# KiCad board Duet3_MB_6HC.kicad_pcb (continued)
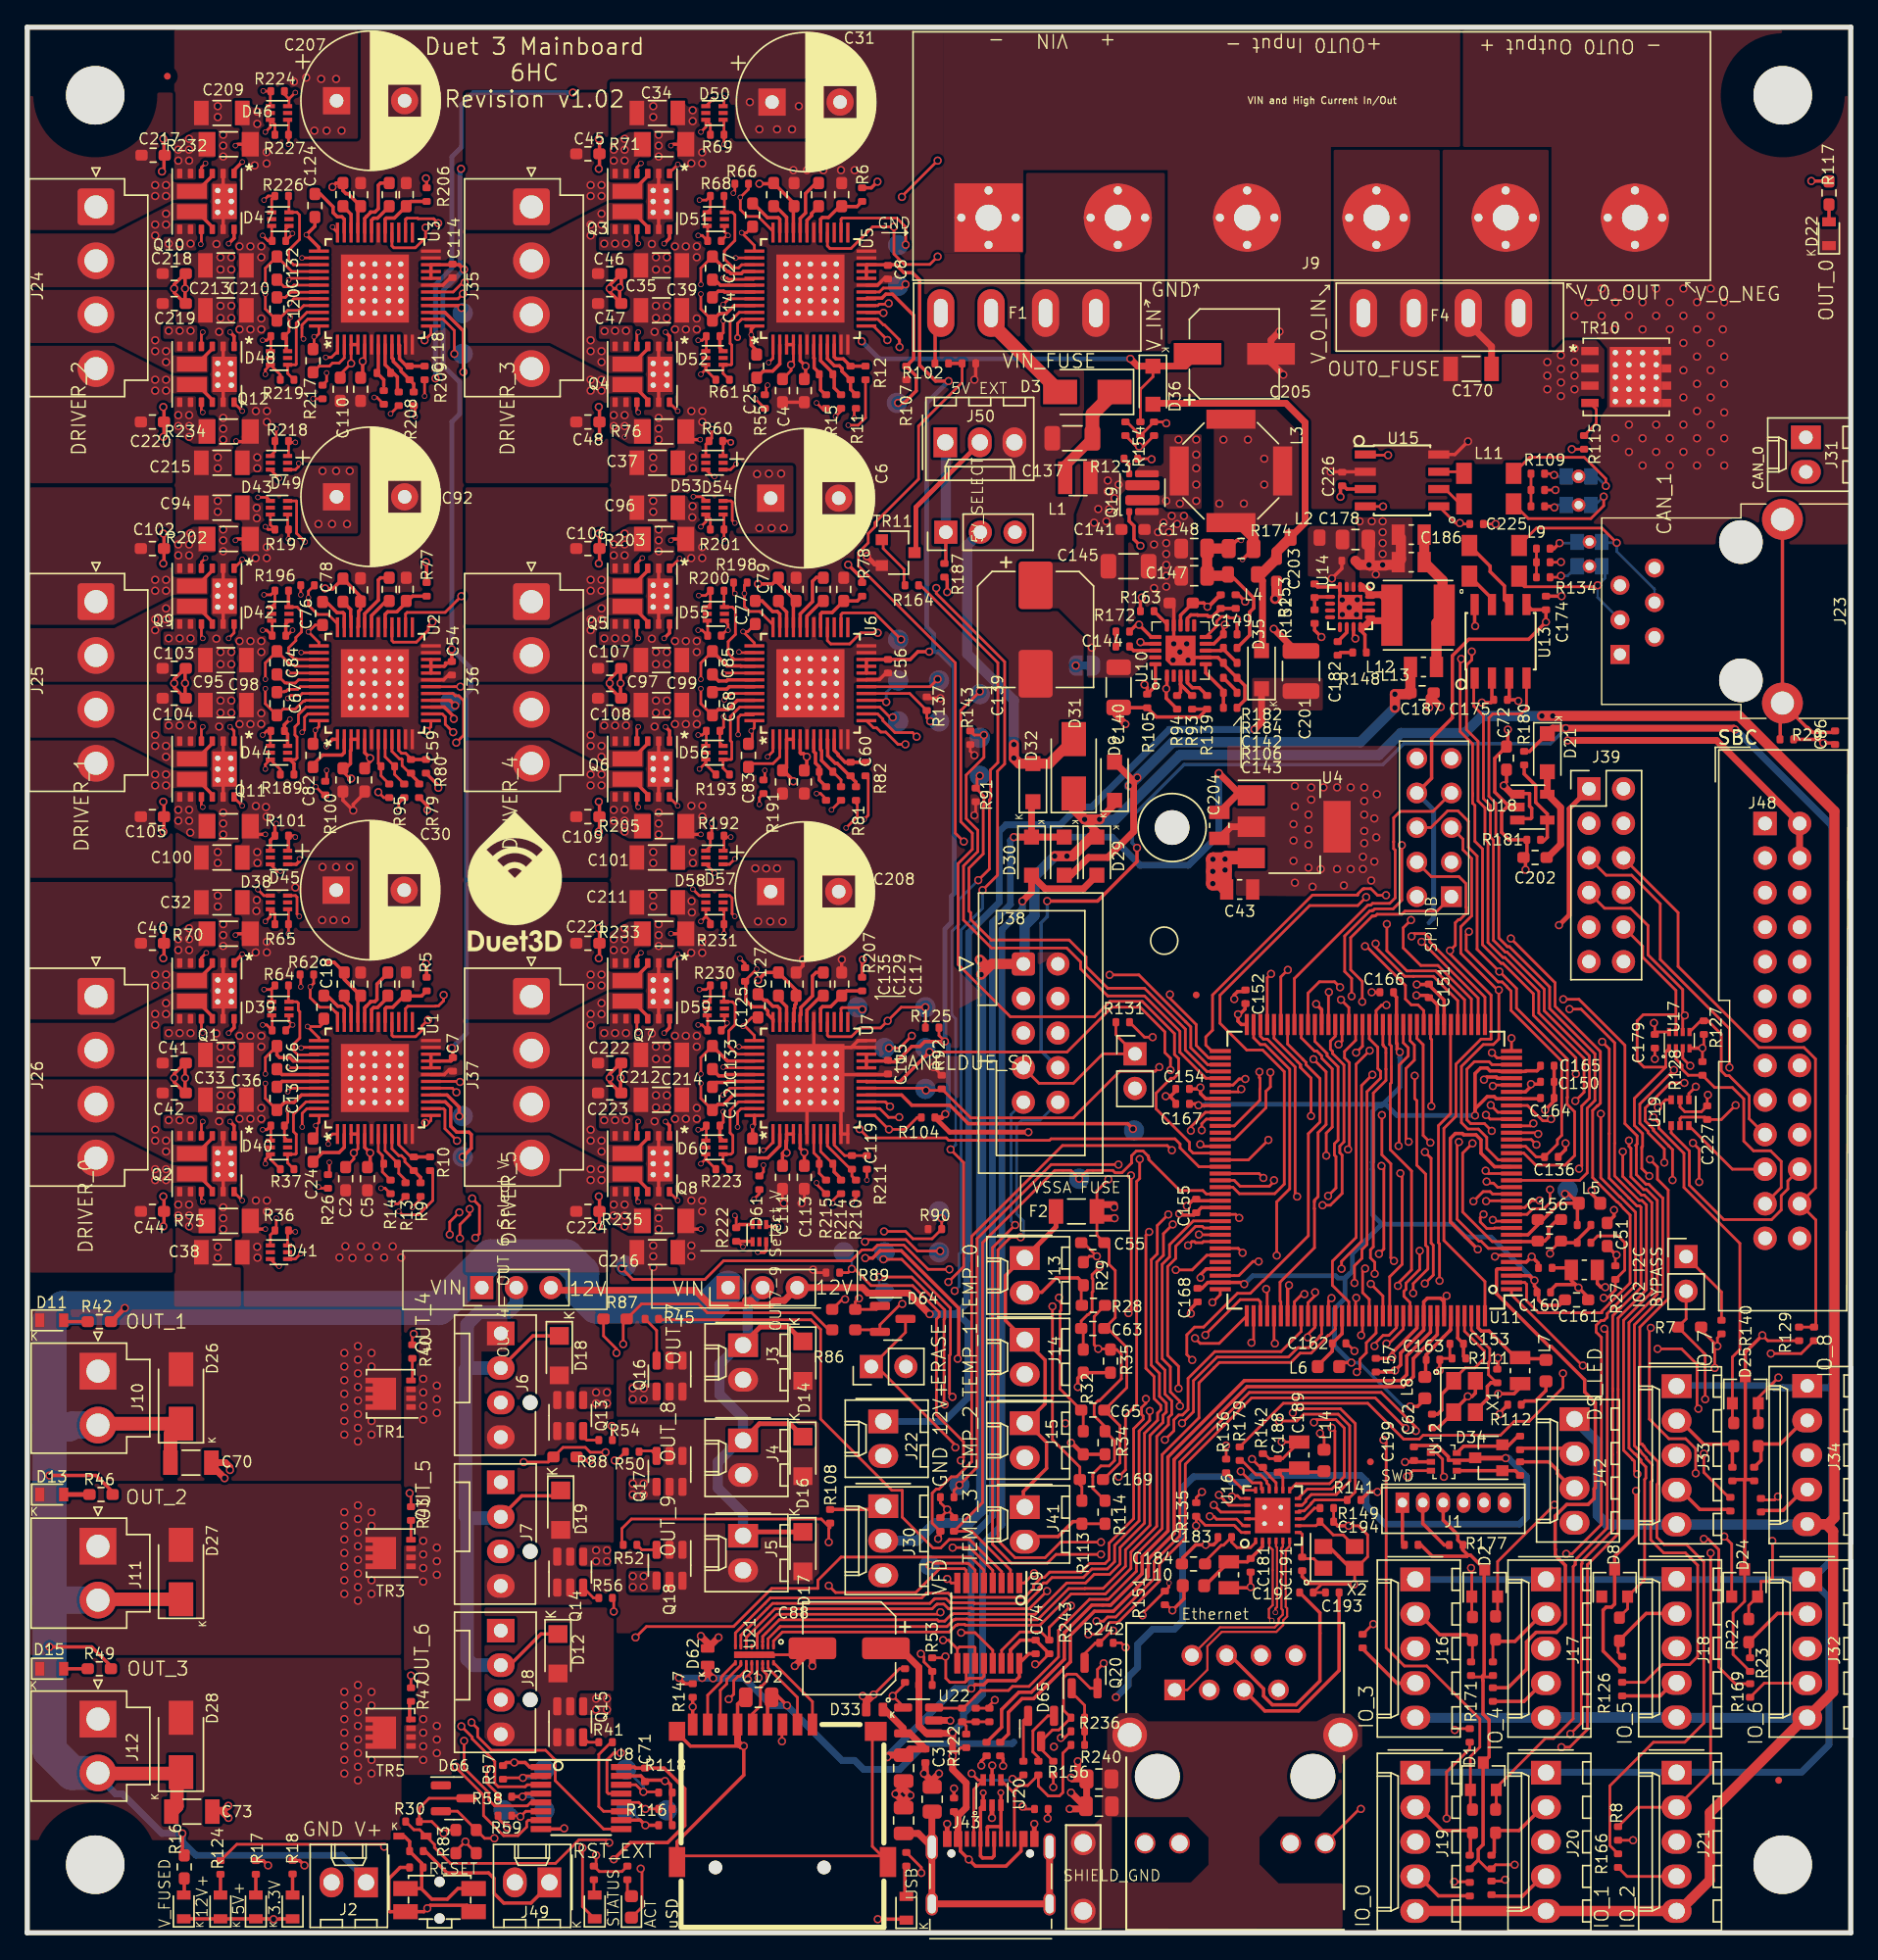
[diagram p0: board, top side]
## Routing (per net, layer and track width the routed paths; a pad name or vN(x,y) marks a point on that pad's centre or on a via; arc(x,y) is an arc through that point) (continued)
/Comms/USBshield: length 22.1
  Top w0.5: J43.S1 65.48,7.3 C173.1 ; J43.S1 J43.S1 J43.S1 J43.S1 ; J43.S1 66.47,8.88 R237.1
/Comms/XI: length 5
  Top w0.2: U16.8 94.71,29.91 C194.2 95.97,29.23 96.7,29.23 X2.3
/Comms/XO: length 4
  Top w0.2: X2.1 94.54,27.49 93.69,27.49 93.69,29.28 93.56,29.41 U16.7
/Headers/CAN_SHD_GND: length 21
  Top w0.25: 132.84,88.19 131.2,88.19 130.85,88.54 130.78,88.54 J23.7 ; J23.7 J23.8 ; J23.7 128.81,90.18 128.81,87.68
/Headers/out9buff: length 4
  Top w0.25: J30.1 62.66,31.1 R108.2
/MOSFET outputs/out4_g: length 1.3
  Top w0.2: R54.1 41.11,36.2 40.85,36.46
/MOSFET outputs/out5_g: length 1.5
  Top w0.2: Q14.3 41.61,24.6 R56.1
/MOSFET outputs/out6_g: length 1.3
  Top w0.2: R41.1 41.21,14 Q15.3
/MOSFET outputs/out7_g: length 3.4
  Top w0.2: R45.1 46.25,44.25 Q16.3
/MOSFET outputs/out8_g: length 1.5
  Top w0.2: Q17.3 45.89,35.4 44.9,35.4
/MOSFET outputs/out9_g: length 1.6
  Top w0.2: Q18.3 45.16,28.14 R52.1
/MOSFET outputs/TR1_G: length 1.7
  Top w0.2: TR1.4 28.3,40.68 R40.1
/MOSFET outputs/TR3_G: length 1.4
  Top w0.2: R43.1 28.2,28.92 28.16,28.88
/MOSFET outputs/TR5_G: length 1.5
  Top w0.25: 28.1,15.57 28.1,16.9 R47.1
/MOSFET outputs/TR10_G: length 3
  Top w0.2: TR10.4 115.3,111.93 115.3,110.9 R115.1
/MOSFET outputs/U12_OUTA: length 5.2
  Top w0.25: R186.2 109.54,36.49 108.8,35.75 105.55,35.75 U12.6
/MOSFET outputs/U12_OUTB: length 4.8
  Top w0.25: R185.2 109.35,33.95 U12.4
/Power/5_VOUT: length 10.5
  Top w0.75: 103.56,93 103.56,96.23 L12.1 ; 104,96.8 104,99.35 C185.1 C186.1
/Power/enbk: length 4.5
  Top w0.25: R145.1 R146.1 87.1,96.7 86.8,96.7 86.7,96.8 86.02,96.8 85.99,96.82 85.51,96.82 85.25,96.57 U10.12
/Power/TR11_G: length 4.1
  Top w0.2: 62.9,102.45 62.9,101.7 64.43,100.17 64.43,99.07 R164.1
/Processor/io0_out: length 91.8
  Top w0.2: v1(113.33,67.86) 114.18,67.86 116.65,65.39 116.65,58.01 116.65,58.01 116.65,55.61 118.45,53.8 118.65,53.8 118.98,53.47 118.98,47.24 116.9,45.16 116.9,39.94 116.9,35.28 116.9,29.3 114.65,27.05 114.65,14.94 113.35,13.64 v1(112.73,13.64) ; v1(99.88,68.16) 99.52,68.16 99.12,67.76 U11.53 ; v1(104.85,3.75) 105.95,3.75 R168.1
  In1.Cu w0.2: v1(104.85,3.75) 109.94,8.84 109.94,12.7 110.88,13.64 v1(112.73,13.64) ; v1(99.88,68.16) 101.01,67.02 112.49,67.02 v1(113.33,67.86)
/Processor/io1_out: length 99.2
  Top w0.2: v1(89.51,62.73) 89.05,62.73 88.6,62.28 U11.78 ; R170.1 108.5,3.8 v1(108.6,3.9) ; v1(113.4,14.61) 114.2,15.42 114.2,27.06 114.25,27.12 114.25,27.32 116.5,29.57 116.5,35.12 116.5,39.99 116.5,45.33 118.58,47.41 118.58,53.31 118.49,53.4 118.28,53.4 117.7,53.99 116.25,55.44 116.25,58.7 116.25,58.71 116.25,64.94 v1(115.73,65.46)
  In1.Cu w0.2: v1(115.73,65.46) 109.82,65.46 107.64,63.28 102.87,63.28 102.52,63.63 100.28,63.63 99.09,62.44 98.6,62.44 98.04,63 92.83,63 92.44,62.61 90.05,62.61 89.93,62.73 v1(89.51,62.73) ; v1(108.6,3.9) 108.6,5.64 110.92,7.96 112.5,7.96 113.4,8.86 v1(113.4,14.61)
/Processor/io2_out: length 86.5
  Top w0.2: v1(103.1,58.05) 102.58,58.58 102.58,65.25 102.12,65.71 U11.47 ; v1(119.24,56.82) 119.79,56.27 119.79,55.36 120.58,54.57 120.58,46.58 118.5,44.5 118.5,35.94 118.52,35.93 118.53,35.92 118.68,35.89 118.69,35.87 118.7,35.87 118.74,35.78 118.79,35.77 118.97,35.47 119.84,34.6 119.84,33.03 119.75,32.94 119.75,29.05 120.28,28.52 121.93,28.52 123.2,27.25 123.2,15.4 121.8,14 119.5,14 116.3,10.8 116.3,6.4 R166.1
  In1.Cu w0.2: v1(119.24,56.82) 119.2,56.77 115.29,56.77 114.87,57.2 113.65,57.2 113.45,57 113.44,57 113.17,56.73 109.23,56.73 108.47,57.5 106.53,57.5 106.02,56.98 104.17,56.98 v1(103.1,58.05)
/Processor/io3_out: length 49.7
  Top w0.2: v1(90.84,55.46) 90.52,55.78 U11.91 ; R165.1 98.88,22.68 v1(98.91,22.68) ; v1(99.51,56.34) 99.69,56.16 99.69,50.24 v1(99.33,49.88)
  In1.Cu w0.2: v1(99.51,56.34) 99.11,55.94 91.32,55.94 v1(90.84,55.46) ; v1(99.33,49.88) 99.33,48.95 99.62,48.67 99.62,48.2 99.73,48.09 99.73,47.26 102,44.99 102,40.72 101.86,40.58 101.86,39.81 100.66,38.62 100.66,36.1 99.85,35.29 99.85,23.62 v1(98.91,22.68)
/Processor/io4_out: length 41.1
  Top w0.25: U11.4 108.04,48.78 107.97,48.7 107.97,46.95 111.85,43.07 112,43.07 114.44,40.63 114.44,39.73 115.23,38.95 115.23,32.7 115.14,32.61 115.14,31.91 114.69,31.46 113.12,31.46 112.27,30.61 112.27,28.17 112.28,28.16 112.28,27.73 113.03,26.99 113.03,22.73 112.38,22.08 110.88,22.08 110.17,21.37 110.17,19.36 108.81,18 R171.2
/Processor/io5_out: length 85.4
  Top w0.2: v1(96.47,69.47) 96.07,69.87 94.95,69.87 94.12,69.04 94.12,66.73 U11.63 ; v1(112.87,68.58) 114.02,68.58 117.4,65.2 117.4,59.45 118.3,58.55 118.3,57.95 118.2,57.85 118.24,57.8 118.24,55.7 118.94,55 119.15,55 120.18,53.97 120.18,46.75 118.1,44.67 118.1,35.78 118.31,35.56 118.42,35.54 118.48,35.44 118.53,35.43 118.65,35.23 118.98,34.9 118.98,34.83 119.39,34.42 119.39,33.21 119.3,33.12 119.3,28.86 120.25,27.91 121.85,27.91 122.75,27.01 122.75,20.3 122.15,19.7 120.15,19.7 118.85,18.4 R126.1
  In1.Cu w0.2: v1(112.87,68.58) 111.71,67.42 101.46,67.42 99.18,69.7 96.7,69.7 v1(96.47,69.47)
/Processor/io6_out: length 66.7
  Top w0.2: U11.102 88.98,50.28 v1(89.31,49.96) ; R169.1 125.51,18.3 124.3,19.51 124.3,28.15 123.51,28.94 v1(123.2,28.94) ; v1(119.3,44.44) 119.2,44.35 119.2,37.74 120.64,36.3 121.86,36.3 122.6,35.56 122.6,33.76 v1(122.6,33.76)
  In1.Cu w0.2: v1(89.31,49.96) 89.62,49.96 90.03,50.36 94.32,50.36 94.54,50.58 96.59,50.58 98.11,52.11 99.13,52.11 99.23,52 102.47,52 102.57,52.11 103.09,52.11 103.22,51.98 103.24,51.98 103.33,51.87 103.7,51.5 103.89,51.5 108.27,47.12 110.03,47.12 110.73,46.42 111.07,46.42 111.59,45.9 117.84,45.9 v1(119.3,44.44) ; v1(123.2,28.94) 122.6,29.53 v1(122.6,33.76)
/Processor/io7_out: length 44.1
  Top w0.2: v1(119.8,42.9) 121.56,42.9 122.7,41.76 122.7,38.6 v1(122.8,38.5) ; v1(98.31,48.8) 98.13,48.62 98.13,47.03 98.62,46.54 U11.127 ; v1(123.2,35.2) 123.2,33.82 125.15,31.88
  In1.Cu w0.2: v1(122.8,38.5) 123.2,38.1 v1(123.2,35.2) ; v1(98.31,48.8) 98.31,49.79 99.27,50.75 102.64,50.75 103.1,50.3 103.4,50.3 108.13,45.56 110.79,42.9 v1(119.8,42.9)
/Processor/io8_out: length 41.5
  Top w0.2: v1(107.85,49.68) 107.95,49.78 U11.6 ; v1(128.65,32.05) 128.4,31.8 127.4,31.8
  In1.Cu w0.2: v1(107.85,49.68) 108.48,49.05 115.15,49.05 117.9,51.8 122.5,51.8 128.45,45.85 128.45,43.08 128.72,42.8 128.72,42.31 128.08,41.66 128.08,32.62 v1(128.65,32.05)
/Processor/rst: length 10
  Top w0.25: S1.4 28.95,3.25 ; 28.95,3.25 28.99,3.29 28.99,5.1 28.1,5.99 28.1,6.7 27.7,7.1 ; 28.95,3.25 29.73,2.47 30.87,2.47 31.65,3.25 S1.3
/Processor/VBG: length 3.4
  Top w0.25: R111.2 105.54,42.36 C153.1 105.12,43.69 U11.140
/Processor/XIN: length 9.5
  Top w0.2: U11.142 106.12,44.27 107.47,42.91 107.47,42.01 107.38,41.92 107.38,41 107.97,40.41 C66.1
  Top w0.25: 108.16,40.41 107.56,40.41 ; 107.56,40.41 107.29,40.15 107.29,39.23 106.42,38.35 X1.3 ; 107.56,40.41 C66.1
/Processor/XOUT: length 10.1
  Top w0.2: X1.1 104.82,40.65 105.67,41.5 106.38,41.5 107.07,42.19 107.07,42.75 105.62,44.2 U11.141
  Top w0.25: X1.1 104.82,40.45 103.94,39.57 103.94,38.41 103.64,38.1 C62.1
/Stepper Driver & Endstops/D0_5VOUT: length 19.8
  Top w0.25: v1(29.3,71.2) 29.31,71.2 29.35,71.16 R5.1 ; U1.5 24.8,57.7 v1(25.2,57.3) 25.2,56.45 C5.2
  In1.Cu w0.25: v1(25.2,57.3) 28.14,60.24 28.14,65.86 27.6,66.4 27.6,69.5 v1(29.3,71.2)
/Stepper Driver & Endstops/D0_CA1: length 3.2
  Top w0.25: U1.42 18.73,63.05 18.35,63.43
/Stepper Driver & Endstops/D0_CA2: length 2.8
  Top w0.25: 21.9,69 22.83,68.07 23.12,68.07 23.3,67.9 U1.35
/Stepper Driver & Endstops/D0_CB1: length 3.7
  Top w0.25: U1.2 23.3,57.7 22.92,57.33 21.7,57.33 21,56.62
/Stepper Driver & Endstops/D0_CB2: length 3.2
  Top w0.25: 18.35,62.18 18.73,62.55 U1.43
/Stepper Driver & Endstops/D0_CPI: length 2.6
  Top w0.25: C22.2 26.5,68.73 25.74,67.97 25.45,67.97 25.3,67.82 U1.31
/Stepper Driver & Endstops/D0_CPO: length 4.5
  Top w0.25: U1.32 24.8,67.97 24.91,68.07 24.91,68.07 24.92,68.07 25.23,68.38 25.23,68.41 25.23,68.42 25.55,68.42 25.7,68.57 25.7,69.7 26.5,70.5 C22.1
/Stepper Driver & Endstops/D0_HA1: length 7.4
  Top w0.2: v2(19.15,63.6) 19.2,63.55 U1.41 ; D39.4 19.23,66.97 v2(19.5,66.7) 19.4,66.7 R63.1
  In1.Cu w0.2: v2(19.5,66.7) 18.74,65.94 18.74,64.01 v2(19.15,63.6)
/Stepper Driver & Endstops/D0_HA2: length 12.8
  Top w0.2: U1.36 22.8,67.52 22.7,67.62 22.68,67.62 22.3,68 21.49,68 20.8,68.69 v2(20.8,69.5) 21.05,69.75 R62.1 ; v2(20,74.67) 19.82,74.84 19.82,76.09 19.72,76.2 D38.6
  In1.Cu w0.2: v2(20.8,69.5) 21,69.7 21,73.67 v2(20,74.67)
/Stepper Driver & Endstops/D0_HAG1: length 5.9
  Top w0.2: D39.3 18,67.37 R63.2 17.6,66.7 v2(17.3,66.7)
  Top w0.25: Q1.12 15.2,66.5 v2(14.8,66.1)
  In1.Cu w0.2: v2(17.3,66.7) 15.4,66.7 v2(14.8,66.1)
/Stepper Driver & Endstops/D0_HAG2: length 16.9
  Top w0.2: D38.1 17.39,76.2 v2(16.95,76.64) ; v2(20.1,69.5) 20.1,70.35 R62.2
  Top w0.25: v2(15.8,71.9) 15.2,71.3 Q1.1
  In1.Cu w0.2: v2(20.1,69.5) 20.3,69.7 20.3,73.29 17.47,76.12 ; 17.47,76.12 18,75.59 18,74.09 15.81,71.9 v2(15.8,71.9) ; 17.47,76.12 v2(16.95,76.64)
/Stepper Driver & Endstops/D0_HB1: length 12.2
  Top w0.2: v2(22.2,56.6) 22.2,55.9 22.1,55.8 ; D41.4 19.7,49.5 v2(20.1,49.9) ; v2(22.12,57.95) 22.12,58.37 22.43,58.69 U1.1
  In1.Cu w0.2: v2(22.12,57.95) 22.12,56.68 v2(22.2,56.6) 22.2,52 v2(20.1,49.9)
/Stepper Driver & Endstops/D0_HB2: length 6.2
  Top w0.2: v2(19.14,61.8) 19.39,62.05 U1.44 ; v2(19.15,60.43) 19.15,59.55 R25.1 18.9,58.44 D40.6
  In1.Cu w0.2: v2(19.15,60.43) 19.14,60.44 v2(19.14,61.8)
/Stepper Driver & Endstops/D0_HBG1: length 15.9
  Top w0.2: v2(15.8,53.8) 15.2,54.4 Q2.12 ; v2(21.4,54.8) 21.5,54.7 R26.2 ; D41.3 18.4,48.97 v2(18.51,48.97)
  In1.Cu w0.2: v2(15.8,53.8) 17.31,52.29 17.8,52.29 18.63,51.46 18.63,49.09 v2(18.51,48.97) 18.51,49.51 21.4,52.4 v2(21.4,54.8)
/Stepper Driver & Endstops/D0_HBG2: length 5.7
  Top w0.2: D40.1 17.9,58.24 R25.2 17.6,59 v2(17.3,59)
  Top w0.25: Q2.1 15.2,59.3 v2(14.9,59.6)
  In1.Cu w0.2: v2(17.3,59) 17.2,59.1 15.4,59.1 v2(14.9,59.6)
/Stepper Driver & Endstops/D0_LA1: length 7.6
  Top w0.2: R64.1 19.2,68.44 D39.6 19.82,68.4 19.92,68.3 19.92,67.78 20.03,67.67 20.03,65.74 19.6,65.31 19.6,64.79 19.89,64.5 21.39,64.5 U1.39
/Stepper Driver & Endstops/D0_LA2: length 14.3
  Top w0.2: D38.4 19.2,75.13 R65.1 v2(19.2,73.4) ; v2(20.13,65.01) 20.17,65.05 U1.38
  In1.Cu w0.2: v2(19.2,73.4) 19.52,73.08 19.52,69.24 20.84,67.92 21.28,67.92 22.02,67.18 22.02,65.93 21.1,65.01 v2(20.13,65.01)
/Stepper Driver & Endstops/D0_LAG1: length 9.1
  Top w0.2: v2(12.9,66.1) 12.8,66.2 Q1.9 ; v2(17.4,69.3) 17.9,69.3 R64.2 17.97,69.37 D39.1
  In1.Cu w0.2: v2(17.4,69.3) 15.2,67.1 13.9,67.1 v2(12.9,66.1)
/Stepper Driver & Endstops/D0_LAG2: length 10
  Top w0.2: v2(13.16,72) 12.8,71.64 Q1.4 ; R65.2 18.2,74.87 D38.3 17.87,74.66 v2(17.5,74.3)
  In1.Cu w0.2: v2(13.16,72) 13.16,73.96 13.9,74.7 15.7,74.7 16.1,74.3 v2(17.5,74.3)
/Stepper Driver & Endstops/D0_LB1: length 11.8
  Top w0.2: 19.3,51.5 v2(19.7,51.5) ; D41.6 19.13,51.53 R36.1 ; U1.47 20.55,60.55 20.21,60.21 v2(20.21,59.2)
  In1.Cu w0.2: v2(19.7,51.5) 20.21,52.01 v2(20.21,59.2)
/Stepper Driver & Endstops/D0_LB2: length 7.2
  Top w0.2: U1.46 20.49,61.05 19.56,60.12 19.56,58.87 19.77,58.66 19.77,57.25 19.72,57.2 D40.4 19.13,56.56 R37.1
/Stepper Driver & Endstops/D0_LBG1: length 10.5
  Top w0.2: v2(12.9,53.7) 12.8,53.8 Q2.9 ; v2(18.3,52.5) 18.3,51.7 R36.2 17.87,51.26 D41.1
  In1.Cu w0.2: v2(18.3,52.5) 18.3,54.2 18,54.5 13.7,54.5 v2(12.9,53.7)
/Stepper Driver & Endstops/D0_LBG2: length 9.2
  Top w0.2: v2(17.5,56.5) 17.5,56.84 D40.3 17.87,56.84 R37.2 ; Q2.4 12.8,59.5 v2(12.9,59.6)
  In1.Cu w0.2: v2(17.5,56.5) 15.3,58.7 13.8,58.7 v2(12.9,59.6)
/Stepper Driver & Endstops/D0_SRAG: length 28.3
  Top w0.2: R14.2 26.3,54.7 v2(26,54.7) ; v2(15.3,73.3) 15.3,73.25 NT5.1
  In1.Cu w0.2: v2(26,54.7) 25.43,54.7 23.31,56.81 23.31,58.51 20.22,61.61 20.22,64.21 19.62,64.81 19.62,65.26 19.97,65.61 21.13,65.61 21.62,66.1 21.62,67.02 21.12,67.52 20.68,67.52 19.12,69.08 19.12,69.47 17.21,71.38 15.59,71.38 15,71.96 15,73 v2(15.3,73.3)
/Stepper Driver & Endstops/D0_SRAH: length 4
  Top w0.2: U1.8 26.3,57.46 27.3,56.46 27.3,55.8 27.8,55.3
/Stepper Driver & Endstops/D0_SRAL: length 3.8
  Top w0.2: U1.7 25.8,57.4 26.1,57.1 26.1,55.9 R14.1
/Stepper Driver & Endstops/D0_SRAT: length 33.6
  Top w0.2: R13.2 27.25,53.55 v2(26.85,53.55)
  In1.Cu w0.2: v1(11.9,73.8) 12.28,73.8 12.66,73.42 12.66,71.68 13.34,71 15.45,71 15.48,70.97 17.05,70.97 18.66,69.36 18.66,68.96 20.5,67.12 20.95,67.12 21.22,66.85 21.22,66.27 20.98,66.03 19.65,66.03 19.22,65.6 19.22,64.31 19.79,63.74 19.79,61.47 22.91,58.35 22.91,56 25.36,53.55 v2(26.85,53.55)
  vias: v1(10.4,66.1) v1(11.1,73) v1(11.1,72.2) v1(11.2,66.1) v1(11.9,73) v1(11.9,72.2) v1(12,66.1)
/Stepper Driver & Endstops/D0_SRBG: length 19.8
  Top w0.2: R10.2 29.8,55.8 29.8,53.8 28.75,52.75 27.55,52.75 v2(27.3,53) ; NT7.1 v2(17.5,51.7)
  In1.Cu w0.2: v2(27.3,53) 23.95,53 19.4,48.45 18.29,48.45 17.97,48.77 17.97,51.23 v2(17.5,51.7)
/Stepper Driver & Endstops/D0_SRBH: length 4.6
  Top w0.2: C11.2 27.75,56.65 27.75,56.85 27.5,57.1 27.3,57.1 26.8,57.6 U1.9
  Top w0.25: C11.2 28.9,55.5 R9.1
/Stepper Driver & Endstops/D0_SRBL: length 3.5
  Top w0.2: U1.10 27.3,57.9 28.3,56.9 28.6,56.9
  Top w0.25: 28.6,56.9 28.7,57 R10.1
/Stepper Driver & Endstops/D0_SRBT: length 22.6
  Top w0.2: R9.2 28.9,53.9 v2(28.3,53.3)
  In1.Cu w0.2: v1(11.9,51.9) 12.7,51.1 17.35,51.1 17.57,50.88 17.57,48.6 18.12,48.05 19.6,48.05 23.95,52.4 27.4,52.4 v2(28.3,53.3)
  vias: v1(10.4,59.7) v1(11.1,53.5) v1(11.1,52.7) v1(11.2,59.7) v1(11.9,53.5) v1(11.9,52.7) v1(12,59.7)
/Stepper Driver & Endstops/D0_VCC: length 4.6
  Top w0.25: U1.29 26.3,67.9 26.4,68 26.86,68 27.69,68.82 28.98,68.82 R5.2
/Stepper Driver & Endstops/D0_VCP: length 2.2
  Top w0.25: U1.34 23.8,68.04 23.02,68.82
/Stepper Driver & Endstops/D1_5VOUT: length 20.2
  Top w0.25: v1(29.3,100.7) 29.35,100.65 R77.1 ; U2.5 24.8,86.7 v1(25.2,86.3) 25.2,86.05 24.8,85.65 24.8,85.45
  In1.Cu w0.25: v1(29.3,100.7) 28.1,99.5 28.1,89.2 v1(25.2,86.3)
/Stepper Driver & Endstops/D1_CA1: length 3.4
  Top w0.2: U2.42 19.93,92.05 19.7,91.82 19.08,91.82 19.07,91.82 18.95,91.82 18.35,92.43
/Stepper Driver & Endstops/D1_CA2: length 2.9
  Top w0.25: 21.78,97.98 22.77,96.99 23.21,96.99 23.3,96.9 U2.35
/Stepper Driver & Endstops/D1_CB1: length 3.8
  Top w0.25: U2.2 23.3,86.7 23.12,86.53 21.7,86.53 21,85.83 21,85.62
/Stepper Driver & Endstops/D1_CB2: length 3.2
  Top w0.2: U2.43 20.07,91.55 19.88,91.36 19.17,91.36 19.03,91.22 18.93,91.22 18.89,91.18 18.35,91.18
/Stepper Driver & Endstops/D1_CPI: length 2.6
  Top w0.25: C80.2 26.38,97.85 25.3,96.77 U2.31
/Stepper Driver & Endstops/D1_CPO: length 4.8
  Top w0.25: U2.32 24.8,96.91 25.8,97.91 25.8,99.39 25.96,99.55 C80.1
/Stepper Driver & Endstops/D1_HA1: length 7.7
  Top w0.2: U2.41 19.2,92.55 v2(19.15,92.6) ; v2(19.5,95.7) 19.1,95.3 R195.1
  Top w0.25: D42.4 19,96.16 R195.1
  In1.Cu w0.2: v2(19.15,92.6) 18.77,92.98 18.77,94.97 v2(19.5,95.7)
/Stepper Driver & Endstops/D1_HA2: length 12.7
  Top w0.2: D43.6 19.77,105.2 19.79,105.17 19.79,102.82 v2(20.42,102.19) ; R194.1 20.66,98.56 v2(20.66,98.09) 20.66,97.54 21.34,96.86 22.12,96.86 22.8,96.17 U2.36
  In1.Cu w0.2: v2(20.66,98.09) 20.66,98.69 20.42,98.94 v2(20.42,102.19)
/Stepper Driver & Endstops/D1_HAG1: length 6
  Top w0.2: 17.93,96.4 18,96.33 R195.2 17.6,95.7 v2(17.3,95.7) ; v2(14.8,95.1) 15.2,95.5 Q9.12
  In1.Cu w0.2: v2(14.8,95.1) 15.4,95.7 v2(17.3,95.7)
/Stepper Driver & Endstops/D1_HAG2: length 17
  Top w0.2: v2(16.95,105.46) 17.6,105.46 D43.1 ; R194.2 v2(20.1,98.3) ; Q9.1 15.8,100.85 v2(15.8,100.9)
  In1.Cu w0.2: v2(20.1,98.3) 20.1,98.32 19.92,98.5 19.92,102.3 19.89,102.33 19.89,102.52 v2(16.95,105.46) 18,104.41 18,103.09 15.81,100.9 v2(15.8,100.9)
/Stepper Driver & Endstops/D1_HB1: length 12.1
  Top w0.2: R100.1 22,84.7 22,85.3
  Top w0.25: v2(22,85.4) 22,85.3 ; v2(21.98,87.15) 21.98,87.24 22.43,87.69 U2.1 ; v2(20,78.9) 20,78.73 19.77,78.5 D45.4
  In1.Cu w0.2: v2(22,85.4) 22,83.22 21.7,82.93 21.7,81.17 20,79.47 v2(20,78.9)
  In1.Cu w0.25: v2(21.98,87.15) 21.98,85.42 v2(22,85.4)
/Stepper Driver & Endstops/D1_HB2: length 6.3
  Top w0.2: v2(19.15,90.69) 19.36,90.91 20.06,90.91 20.21,91.05 U2.44
  Top w0.25: v2(19.3,89.16) 18.9,88.76 R99.1 19.13,88.06 D44.6
  In1.Cu w0.2: v2(19.3,89.16) 19.3,90.4 19.23,90.48 19.23,90.62 v2(19.15,90.69)
/Stepper Driver & Endstops/D1_HBG1: length 15.7
  Top w0.2: D45.3 18.37,78 v2(18.6,78) ; R100.2 21.8,83.6 v2(21.2,84.2) ; 15.2,83.4 v2(15.8,82.8)
  In1.Cu w0.2: 18.6,78.63 21.26,81.3 21.26,84.14 v2(21.2,84.2) ; 18.6,78.63 v2(18.6,78) ; 18.6,78.63 18.6,80.46 17.75,81.31 17.29,81.31 v2(15.8,82.8)
/Stepper Driver & Endstops/D1_HBG2: length 5.7
  Top w0.2: v2(17.3,88) 17.6,88.3 R99.2 17.87,88.26 D44.1 ; v2(14.9,88.6) 15.2,88.3 Q11.1
  In1.Cu w0.2: v2(14.9,88.6) 15.5,88 v2(17.3,88)
/Stepper Driver & Endstops/D1_LA1: length 8.2
  Top w0.2: 19.2,97.4 19.83,97.4 20.16,97.08 20.16,95.58 19.74,95.16 19.74,94.94 19.2,94.4 19.2,94 19.6,93.6 19.77,93.6 19.82,93.55 U2.39
  Top w0.25: 19.2,97.4 R196.1
/Stepper Driver & Endstops/D1_LA2: length 14.4
  Top w0.2: v2(19.2,102.4) R197.1 19.13,103.16 D43.4 ; U2.38 20.14,94.05 v2(20.13,94.06)
  In1.Cu w0.2: v2(19.2,102.4) 19.3,102.3 19.3,98.25 20.06,97.49 20.7,97.49 22.01,96.18 22.01,94.91 21.16,94.06 v2(20.13,94.06)
/Stepper Driver & Endstops/D1_LAG1: length 9.2
  Top w0.2: v2(12.9,95.1) 12.8,95.2 Q9.9 ; 17.93,97.4 18.2,97.67 R196.2 17.9,98.3 v2(17.4,98.3)
  In1.Cu w0.2: v2(12.9,95.1) 13.5,95.7 14.66,95.7 17.26,98.3 v2(17.4,98.3)
/Stepper Driver & Endstops/D1_LAG2: length 9.8
  Top w0.2: Q9.4 12.8,100.7 v2(13.1,101) ; D43.3 17.87,103.44 R197.2 17.7,103.1 v2(17.5,103.3)
  In1.Cu w0.2: v2(17.5,103.3) 17.15,103.3 17.12,103.33 16.3,103.33 15.9,103.73 13.75,103.73 13.1,103.08 v2(13.1,101)
/Stepper Driver & Endstops/D1_LB1: length 12
  Top w0.2: v2(20.2,88.2) 20.38,88.38 20.38,89.31 20.62,89.55 U2.47 ; R101.1 19.6,80.6 v2(19.7,80.5)
  Top w0.25: D45.6 19.2,79.56 R101.1
  In1.Cu w0.2: v2(20.2,88.2) 20.3,88.1 20.3,81.1 v2(19.7,80.5)
/Stepper Driver & Endstops/D1_LB2: length 7.2
  Top w0.2: D44.4 19.72,86.2 19.82,86.31 19.82,87.85 19.67,88 19.67,88.6 19.93,88.85 19.93,89.49 20.49,90.05 U2.46
  Top w0.25: R189.1 19.6,85.9 19.3,86.2 D44.4
/Stepper Driver & Endstops/D1_LBG1: length 10.2
  Top w0.2: v2(12.9,82.7) 12.8,82.8 Q11.9
  Top w0.25: D45.1 17.87,80.26 R101.2 18.2,81.4 v2(18.3,81.5)
  In1.Cu w0.2: v2(18.3,81.5) 18.3,82.8 17.72,83.38 13.58,83.38 v2(12.9,82.7)
/Stepper Driver & Endstops/D1_LBG2: length 9.2
  Top w0.2: R189.2 18.6,85.47 D44.3 17.5,85.84 v2(17.5,85.5) ; Q11.4 12.8,88.5 v2(12.9,88.6)
  In1.Cu w0.2: v2(17.5,85.5) 17.3,85.5 14.81,87.99 13.51,87.99 v2(12.9,88.6)
/Stepper Driver & Endstops/D1_SRAG: length 29.8
  Top w0.2: 15.47,102.42 15.42,102.42 v2(15.3,102.3) ; R96.2 26.2,83.4 v1(25.8,83.8)
  In1.Cu w0.2: v2(15.3,102.3) 15.3,100.69 15.59,100.4 17.18,100.4 18.9,98.68 18.9,97.93 19.74,97.09 20.47,97.09 21.59,95.97 21.59,95.18 21.09,94.68 19.94,94.68 19.57,94.31 19.57,93.84 20.13,93.28 20.13,90.77 23.02,87.88 23.02,84.18 24.2,83 25,83 v1(25.8,83.8)
/Stepper Driver & Endstops/D1_SRAH: length 3.9
  Top w0.2: R95.1 27,85.1 C69.2 26.3,86.4 U2.8
/Stepper Driver & Endstops/D1_SRAL: length 3.6
  Top w0.2: R96.1 26,85 C69.1 25.8,85.9 U2.7
/Stepper Driver & Endstops/D1_SRAT: length 36
  Top w0.2: v2(27.3,82.5) 27.3,83 R95.2
  In1.Cu w0.2: v2(27.3,82.5) 26.63,81.83 23.37,81.83 22.59,82.61 22.59,87.71 19.65,90.66 19.65,93.18 19.17,93.66 19.17,94.48 19.77,95.08 20.91,95.08 21.19,95.36 21.19,95.79 20.84,96.15 20.47,96.15 19.92,96.69 19.56,96.69 18.5,97.75 18.5,98.51 17.01,100 13.13,100 12.59,100.54 12.59,102.22 v1(11.99,102.82)
  vias: v1(10.4,95.1) v1(11.1,102) v1(11.1,101.2) v1(11.2,95.1) v1(11.9,102) v1(11.9,101.2) v1(12,95.1)
/Stepper Driver & Endstops/D1_SRBG: length 20.3
  Top w0.2: 17.43,80.7 v2(17.5,80.7)
  Top w0.25: R80.2 30.21,84.29 v1(30.21,84.12)
  In1.Cu w0.2: v1(30.21,84.12) 30.01,84.12 27.33,81.43 22.53,81.43 20.67,79.57 20.67,78.66 20.38,78.37 19.84,78.37 18.9,77.43 18.3,77.43 18.08,77.65 18.08,80.12 v2(17.5,80.7)
/Stepper Driver & Endstops/D1_SRBH: length 4.2
  Top w0.2: 28.1,85.2 27.55,85.75 27.55,86.21 27.5,86.26 27.34,86.26 26.8,86.8 U2.9
  Top w0.25: 28.1,85.2 28.8,84.5 R79.1
/Stepper Driver & Endstops/D1_SRBL: length 3.3
  Top w0.2: U2.10 27.3,86.87 27.51,86.65 27.81,86.65 28.1,86.36 28.1,86.2
  Top w0.25: 29.4,86.2 28.1,86.2
/Stepper Driver & Endstops/D1_SRBT: length 24.3
  Top w0.25: v1(29.4,82.5) 29.4,82.8 R79.2
  In1.Cu w0.2: v1(29.4,82.5) 27.9,81 22.66,81 21.08,79.42 21.08,78.37 20.66,77.95 19.98,77.95 19.06,77.03 18.11,77.03 17.67,77.47 17.67,79.58 17.15,80.1 12.71,80.1 v1(11.98,80.83)
  vias: v1(10.4,88.7) v1(11.1,82.5) v1(11.1,81.7) v1(11.2,88.7) v1(11.9,82.5) v1(11.9,81.7) v1(12.1,88.7)
/Stepper Driver & Endstops/D1_VCC: length 4.6
  Top w0.25: R77.2 28.31,98.2 27.16,97.05 26.49,97.05 26.3,96.86 U2.29
/Stepper Driver & Endstops/D1_VCP: length 2.1
  Top w0.25: C78.1 23.76,97.23 23.76,96.74 23.8,96.7 U2.34
/Stepper Driver & Endstops/D2_5VOUT: length 18.7
  Top w0.25: 24.5,114.45 24.65,114.6 v1(24.65,115.45) 24.8,115.6 U3.5 ; v1(29.3,128.9) 29.35,128.85 R206.1
  In1.Cu w0.25: v1(29.3,128.9) 28.2,127.8 28.2,118.57 25.07,115.45 v1(24.65,115.45)
/Stepper Driver & Endstops/D2_CA1: length 3.3
  Top w0.2: C132.2 18.87,120.93 19.48,120.93 19.6,121.05 U3.42
/Stepper Driver & Endstops/D2_CA2: length 4.2
  Top w0.25: C124.2 21.53,127.75 22.47,126.8 22.47,126.38 22.78,126.07 23.12,126.07 23.3,125.9 U3.35
/Stepper Driver & Endstops/D2_CB1: length 3.7
  Top w0.2: C130.2 21.45,115.1 22.21,115.1 22.43,115.33 22.92,115.33 23.3,115.7 U3.2
/Stepper Driver & Endstops/D2_CB2: length 3.3
  Top w0.2: C120.2 18.97,120.15 19.35,120.53 21.42,120.53 U3.43
/Stepper Driver & Endstops/D2_CPI: length 2.6
  Top w0.25: C128.2 26.6,126.83 25.74,125.97 25.45,125.97 25.3,125.82 U3.31
/Stepper Driver & Endstops/D2_CPO: length 4.9
  Top w0.25: U3.32 24.8,125.96 24.91,126.06 24.91,126.07 24.92,126.07 25.23,126.38 25.23,126.41 25.23,126.42 25.55,126.42 25.8,126.67 25.8,128.39 25.96,128.55 C128.1
/Stepper Driver & Endstops/D2_HA1: length 8.2
  Top w0.2: v2(19.49,124.85) 19.49,124.79 R225.1 19,125.17 D47.4 ; v2(19.21,121.44) 19.33,121.55 U3.41
  In1.Cu w0.2: v2(19.49,124.85) 18.71,124.07 18.71,121.94 v2(19.21,121.44)
/Stepper Driver & Endstops/D2_HA2: length 13.3
  Top w0.2: 19.23,134.74 v2(19.7,135.2) ; 19.23,134.74 19.23,134.34 ; 19.23,134.74 18.9,135.07 R224.1 ; U3.36 22.44,125.28 v2(22.44,125.32)
  In1.Cu w0.2: v2(22.44,125.32) 22.44,126.24 20.5,128.18 20.5,134.4 v2(19.7,135.2)
/Stepper Driver & Endstops/D2_HAG1: length 5.9
  Top w0.2: D47.3 17.97,124.33 R225.2 17.7,124.3 v2(17.3,124.7)
  Top w0.25: Q10.12 15.2,124.5 v2(14.8,124.1)
  In1.Cu w0.2: v2(17.3,124.7) 17.17,124.57 15.27,124.57 v2(14.8,124.1)
/Stepper Driver & Endstops/D2_HAG2: length 9.7
  Top w0.2: v2(17.34,135.32) 17.36,135.3 R224.2 17.87,135.26 D46.1
  Top w0.25: v2(15.8,130.1) 15.2,129.5 Q10.1
  In1.Cu w0.2: v2(15.8,130.1) 17.17,131.47 17.66,131.47 18.27,132.08 18.27,134.39 v2(17.34,135.32)
/Stepper Driver & Endstops/D2_HB1: length 12.4
  Top w0.2: R217.1 22,114 v2(22,114.6) ; U3.1 22.8,116.19 22.36,115.75 v2(21.93,115.75) ; D49.4 19.72,107.5 19.95,107.73 v2(19.95,107.95)
  In1.Cu w0.2: v2(21.93,115.75) 21.93,114.67 v2(22,114.6) 22,110 v2(19.95,107.95)
/Stepper Driver & Endstops/D2_HB2: length 6
  Top w0.2: v2(19.28,119.75) 19.58,120.05 U3.44 ; v2(19.34,118.7) 19.24,118.6 19.24,117.64 R216.1
  Top w0.25: R216.1 19.03,117.16 19.03,116.3
  In1.Cu w0.2: v2(19.28,119.75) 19.34,119.69 v2(19.34,118.7)
/Stepper Driver & Endstops/D2_HBG1: length 15.3
  Top w0.2: R217.2 v2(21,112.7) ; D49.3 18.51,106.86 v2(18.53,106.86) ; v2(15.8,111.8) 15.2,112.4 Q12.12
  In1.Cu w0.2: v2(21,112.7) 21,109.8 18.53,107.33 ; 18.53,107.33 18.53,109.56 17.8,110.29 17.31,110.29 v2(15.8,111.8) ; 18.53,107.33 v2(18.53,106.86)
/Stepper Driver & Endstops/D2_HBG2: length 5.7
  Top w0.2: D48.1 17.9,116.24 R216.2 17.6,117 v2(17.3,117)
  Top w0.25: v2(14.9,117.6) 15.2,117.3 Q12.1
  In1.Cu w0.2: v2(14.9,117.6) 15.5,117 v2(17.3,117)
/Stepper Driver & Endstops/D2_LA1: length 8.1
  Top w0.2: R226.1 19.23,127.56 D47.6 19.82,126.4 20.01,126.21 20.01,124.41 19.22,123.62 19.22,122.9 19.57,122.55 U3.39
/Stepper Driver & Endstops/D2_LA2: length 13.8
  Top w0.2: D46.4 19.2,133.13 R227.1 v2(19.2,131.4) ; U3.38 v2(20.19,123.05)
  In1.Cu w0.2: v2(19.2,131.4) 19.2,128.91 21.85,126.26 21.85,123.87 21.8,123.83 21.8,123.71 21.14,123.05 v2(20.19,123.05)
/Stepper Driver & Endstops/D2_LAG1: length 9.6
  Top w0.2: Q10.9 12.8,124.11 v2(12.75,124.06) ; v2(17.4,127.3) 17.7,127.6 R226.2 17.97,127.36 D47.1
  In1.Cu w0.2: v2(12.75,124.06) 12.75,124.57 13.57,125.39 15.49,125.39 v2(17.4,127.3)
/Stepper Driver & Endstops/D2_LAG2: length 10.2
  Top w0.2: R227.2 18.2,132.87 D46.3 17.87,132.67 v2(17.5,132.3) ; Q10.4 12.8,129.7 v2(13.1,130)
  In1.Cu w0.2: v2(17.5,132.3) 15.9,132.3 15.5,132.7 13.5,132.7 13.1,132.3 v2(13.1,130)
/Stepper Driver & Endstops/D2_LB1: length 12.1
  Top w0.2: D49.6 19.2,108.56 R218.1 19.3,109.5 v2(19.7,109.5) ; U3.47 20.61,118.55 20.19,118.12 20.19,117.21 v2(20.3,117.1)
  In1.Cu w0.2: v2(19.7,109.5) 20.38,110.18 20.38,117.02 v2(20.3,117.1)
